# Altium PCB smoothieboard-5driver.PcbDoc (part 3 of 5)
Units mm, origin at the board's own origin, x right, y up, seen from the top; angles counter-clockwise.
Board outline 129.55 x 105.03 mm, 4 copper layers (Top, Route2, Route15, Bottom), stack 1.46 mm thick; 318 components, 238 nets, 1069 pads, 669 vias.
Unrouted connection lines stored in the file: 1.
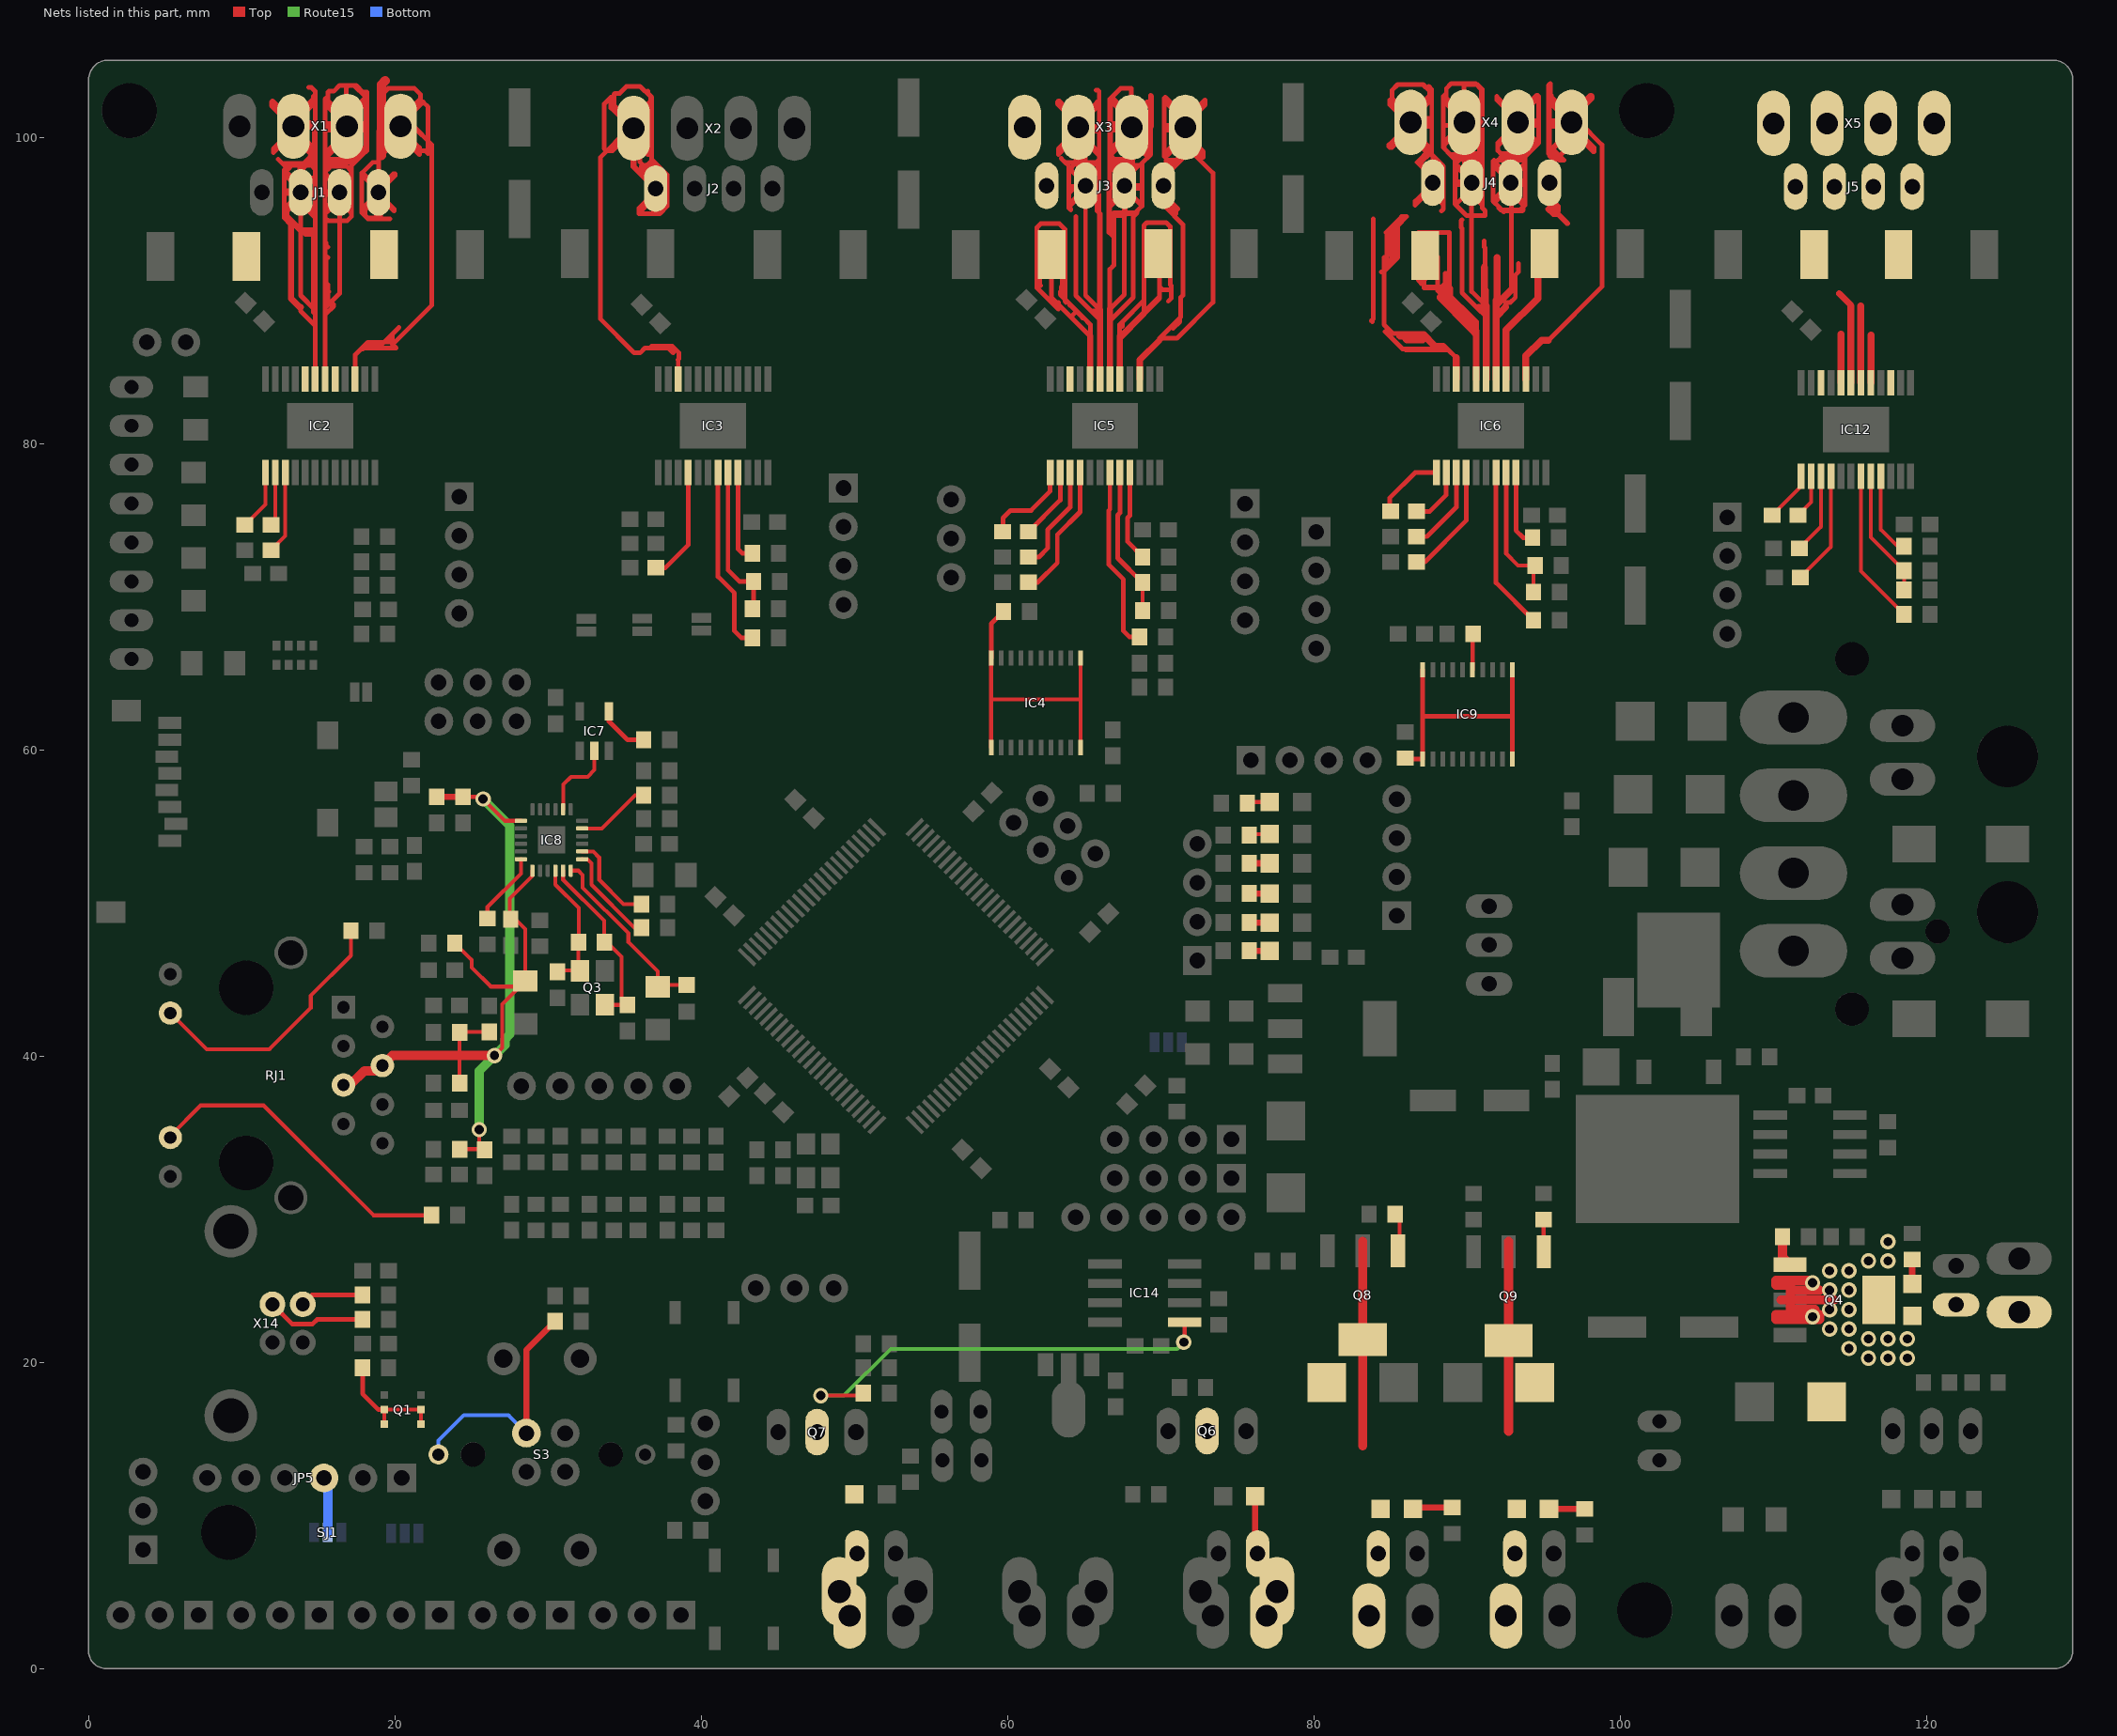
[diagram p5: the nets of this part, all layers, seen from the top]

## Via types
v1: diameter 1.006/1.006/1.006/1.006 (per signal layer), hole 0.6, Top to Bottom, tented both sides, 666 vias
v2: diameter 0.737/0.737/0.737/0.737 (per signal layer), hole 0.33, Top to Bottom, tented both sides, 2 vias
v3: diameter 1.016/1.006/1.006/1.016 (per signal layer), hole 0.6, Top to Bottom, tented both sides, 1 vias

## Nets (pads, with @x,y where several pads share a name; then routed paths per layer and width w, separated by ;. In a path a pad name is that pad's centre, name@x,y a point inside that pad or via, vN(x,y) a via of type N, cw(c..) or ccw(c..) an arc to the next point about the centre after c; other vN are vias at no path point) (continued)
N$14: IC3.P22 J2.4 X2.4 | length 87.5
  Top w0.305: 36.521,102.997 36.521,102.87 36.775,102.616 36.775,100.584 ; 36.648,102.298 35.632,101.282 35.632,100.965 36.711,102.044 36.711,102.616 36.013,103.314 35.124,103.314 34.679,102.87 34.362,102.87 34.298,102.806 34.298,102.108 35.505,100.901 35.505,100.52 34.108,101.917 34.108,102.616 33.663,102.171 33.663,99.251 33.79,99.123 34.235,99.123 35.441,100.33 35.568,100.203 35.568,99.885 35.886,99.568 35.886,99.504 36.521,98.87 36.711,98.87 36.711,99.06 35.632,100.139 X2.4@35.632,100.266 ; 36.711,100.266 X2.4@36.013,100.266 ; 36.775,86.36 38.108,86.36 38.553,85.915 38.553,85.534 38.489,85.471 38.5,85.46 IC3.P22@38.5,84.203 ; J2.4@37.029,96.647 37.029,97.346 36.013,98.361 36.013,100.076 35.505,100.584 35.314,100.584 33.409,98.679 33.409,88.138 35.632,85.915 36.013,85.915 36.33,86.233 37.854,86.233 38.172,85.915 ; X2.4@35.632,100.266 X2.4@36.013,100.266 ; X2.4@35.632,100.266 X2.4@35.632,100.647 ; X2.4@35.632,100.647 X2.4@36.013,100.266 ; X2.4@35.632,100.647 35.759,100.774 36.711,100.774 36.711,100.33 36.584,100.457 35.568,100.457 35.568,100.584 36.775,100.584 ; 36.775,98.552 36.775,98.489 36.33,98.044 36.203,98.044 36.838,97.409 36.838,97.282 36.076,98.044 36.076,98.108 36.14,98.171 37.156,98.171 ; 36.775,98.552 37.156,98.171 ; 36.775,98.552 36.775,100.584 ; J2.4@37.029,96.139 37.029,95.123 36.965,95.123 36.902,95.059 36.902,96.52 37.092,96.71 37.727,96.71 37.727,96.52 J2.4@37.029,96.52 ; J2.4@37.029,96.139 36.14,95.25 36.14,95.441 J2.4@37.029,96.329 ; J2.4@37.029,96.139 J2.4@37.029,96.329 ; J2.4@37.029,96.329 37.156,96.203 37.156,96.139 37.664,95.631 37.727,95.631 37.727,95.758 J2.4@37.029,96.456 ; J2.4@37.029,96.329 J2.4@37.029,96.456 ; J2.4@37.029,96.456 J2.4@37.029,96.52 ; J2.4@37.029,96.456 35.949,95.377 35.949,94.996 37.283,94.996 37.791,95.504 37.791,97.536 J2.4@37.664,97.663 ; J2.4@37.029,96.52 37.029,96.901 37.664,97.536 J2.4@37.664,97.663 ; 37.156,98.171 J2.4@37.664,97.663
  Top w0.406: X2.4@35.589,100.584 35.589,98.087 J2.4@37.029,96.647
N$15: IC4.1 IC4.10 IC4.11 IC4.20 R30.1 | length 20.9
  Top w0.254: IC4.11@58.932,60.138 58.932,63.279 ; IC4.10@58.932,65.973 58.932,63.279 ; IC4.20@64.782,60.138 64.782,63.279 ; IC4.1@64.782,65.973 64.782,63.279 ; 58.932,63.279 64.782,63.279
  Top w0.305: IC4.10@58.932,65.973 58.932,68.22 R30.1@59.737,69.025
N$16: LED10.A R78.1 | length 1.5
  Top w0.254: R78.1@75.661,56.515 75.661,56.578 LED10.A@77.126,56.578
N$17: IC3.P08 R23.1 R27.1 | length 10.1
  Top w0.305: IC3.P08@41.75,78.103 41.75,71.732 42.49,70.993 R27.1@43.418,70.993 43.418,69.278 R23.1@43.354,69.215
N$18: D8.A J6.2 LED6.C Q9.4 X8.2 | length 12.4
  Top w0.61: 92.718,15.494 92.718,27.877
N$19: IC14.5 R70.1 | length 29.3
  Top w0.254: v1(47.808,17.819) 50.441,17.819 R70.1@50.593,17.97 ; v1(71.518,21.309) 71.569,21.36 IC14.5@71.569,22.606
  Route15 w0.254: v1(47.808,17.819) 49.323,17.819 52.373,20.869 71.078,20.869 v1(71.518,21.309)
N$20: R61.2 RJ1.G- | length 17.4
  Top w0.254: RJ1.G-@5.342,42.799 7.712,40.429 11.808,40.429 14.508,43.129 14.508,43.929 17.132,46.553 R61.2@17.132,48.176
N$21: C45.A C46.1 C47.1 C52.1 C53.1 FB1.2 IC8.1 IC8.19 R54.1 R55.1 R56.1 R57.1 RJ1.P4 RJ1.P5 | length 68.5
  Top w0.254: R54.1@23.908,47.128 R54.1@23.908,47.371 25.008,46.271 25.008,45.779 26.258,44.529 27.758,44.529 C45.A@27.955,44.332 ; R56.1@24.226,33.909 C53.1@25.508,33.909 ; R57.1@24.226,38.227 24.226,40.028 24.227,40.029 R55.1@24.226,41.529 R55.1@24.226,41.529 24.265,41.568 C52.1@26.17,41.568 C52.1@26.547,41.568 ; C47.1@24.456,56.92 25.617,56.92 v1(25.758,56.779) 27.185,55.352 IC8.19@28.234,55.352 ; v1(25.508,35.188) C53.1@25.508,33.909 ; C53.1@25.853,33.87 25.813,33.909 C53.1@25.508,33.909 ; v1(26.508,40.029) 27.008,40.529 27.008,43.386 C45.A@27.955,44.332 ; IC8.1@28.984,52.102 28.984,51.755 27.508,50.279 27.508,48.979 C46.1@27.567,48.919 27.867,48.919 28.508,48.279 28.508,44.909 C45.A@28.52,44.898 C45.A@27.955,44.332
  Top w0.406: FB1.2@22.741,56.92 C47.1@24.456,56.92
  Top w0.61: RJ1.P5@16.645,38.1 17.079,38.1 18.008,39.029 18.844,39.029 RJ1.P4@19.185,39.37 19.844,40.029 24.227,40.029 v1(26.508,40.029)
  Route15 w0.61: v1(25.508,35.188) 25.508,39.029 v1(26.508,40.029) 27.191,40.712 27.191,41.089 27.508,41.407 27.508,55.029 v1(25.758,56.779)
N$22: C16.2 IC3.P04 | length 7.4
  Top w0.305: C16.2@37.053,71.882 37.664,71.882 39.15,73.368 IC3.P04@39.15,78.103
N$23: JP5.3 SJ1.2 | length 3.7
  Bottom w0.61: JP5.3@15.365,12.429 15.623,12.171 SJ1.2@15.623,8.874
N$24: IC3.P09 R28.1 | length 6.1
  Top w0.305: IC3.P09@42.4,78.103 42.4,73.114 42.68,72.834 R28.1@43.354,72.834
N$25: C36.2 IC5.P01 | length 5.9
  Top w0.305: C36.2@59.674,74.231 59.698,74.256 59.698,75.12 60.206,75.629 61.54,75.629 62.79,76.879 IC5.P01@62.79,78.103
N$26: C36.1 IC5.P02 | length 4.7
  Top w0.305: C36.1@61.373,74.231 63.44,76.299 IC5.P02@63.44,78.103
N$27: C34.2 IC5.P03 | length 7
  Top w0.305: C34.2@61.373,72.581 62.048,72.581 62.619,73.152 62.619,74.358 64.09,75.83 IC5.P03@64.09,78.103
N$28: IC5.P17 R46.2 | length 32.3
  Top w0.305: 67.318,86.804 68.906,88.392 68.906,89.344 ; 67.341,87.018 69.922,89.599 ; 67.509,87.63 67.509,87.947 ; 68.906,89.98 68.906,89.344 ; 68.906,90.043 68.906,94.234 69.096,94.424 70.366,94.424 70.62,94.17 70.62,90.361 70.684,90.297 70.684,90.106 ; R46.2@69.852,92.392 69.922,92.323 69.922,90.233 ; 70.493,89.281 70.684,89.471 70.684,90.106 ; 67.509,87.947 68.906,89.344 ; 67.509,87.947 67.318,87.757 67.318,86.868 69.922,89.471 69.922,89.599 ; 69.922,89.599 69.922,90.233 ; 69.922,90.233 70.112,90.043 70.62,90.043 70.684,90.106
  Top w0.406: IC5.P17@67.341,84.203 67.341,87.018
N$29: IC9.15 R4.1 | length 2.3
  Top w0.254: IC9.15@90.368,65.227 90.368,67.539 R4.1@90.393,67.564
N$30: IC5.P20 R47.2 | length 32.2
  Top w0.305: 62.175,90.297 62.111,90.361 62.111,90.995 62.429,91.313 63.254,91.313 63.572,90.995 63.572,90.297 63.508,90.233 63.508,90.106 63.762,90.361 ; R47.2@62.879,92.329 62.873,92.323 62.873,89.535 65.39,87.018 ; 63.318,89.218 63.318,88.773 61.921,90.17 61.921,94.107 62.175,94.361 63.381,94.361 63.762,93.98 63.762,90.361 ; 63.445,89.916 63.445,89.725 64.08,89.09 ; 63.826,89.218 63.762,89.281 63.762,90.361 ; 64.207,88.328 64.524,88.646 ; 65.35,86.423 65.35,86.931 65.413,86.995 65.413,87.757 64.969,88.201 ; 64.08,89.09 64.08,89.027 64.905,88.201 64.969,88.201 ; 64.08,89.09 64.524,88.646 ; 64.524,88.646 64.969,88.201
  Top w0.406: IC5.P20@65.39,84.203 65.39,87.018
N$31: IC5.P18 J3.2 X3.2 | length 124.1
  Top w0.305: 66.683,87.566 66.683,88.011 68.207,89.535 68.207,94.805 68.461,95.059 66.937,95.059 66.937,91.63 66.683,91.376 66.683,88.773 ; 66.683,94.742 66.683,94.869 ; 66.691,88.781 67.636,89.725 67.636,94.869 ; J3.2@67.636,96.837 J3.2@67.636,96.774 ; X3.2@68.08,100.139 X3.2@68.08,100.076 ; X3.2@68.144,100.584 69.287,100.584 69.414,100.711 69.414,102.679 69.35,102.743 69.35,102.298 ; X3.2@68.144,100.647 68.08,100.711 68.08,103.188 67.382,103.188 66.683,102.489 66.683,100.838 ; X3.2@68.144,101.346 69.096,102.298 69.35,102.298 ; 68.652,98.171 68.779,98.298 ; 66.683,94.869 67.636,94.869 ; 66.683,94.869 66.874,94.678 66.874,93.535 66.62,93.789 66.62,96.774 66.683,96.837 J3.2@67.699,96.837 ; 66.683,94.869 66.683,98.425 ; 66.683,98.425 66.937,98.425 ; 66.683,98.425 66.683,98.87 ; 66.683,98.87 66.683,100.457 ; 66.683,98.87 67.001,98.552 68.08,98.552 67.699,98.171 67.191,98.171 66.937,98.425 ; 66.683,100.457 X3.2@67.89,100.457 ; 66.683,100.457 66.683,100.711 ; 66.683,100.711 66.683,100.838 ; 66.683,100.711 68.271,100.711 68.271,100.457 X3.2@68.08,100.457 ; 66.683,100.838 66.747,100.901 68.08,100.901 68.207,100.774 68.207,100.647 X3.2@68.017,100.457 ; 66.937,98.425 68.08,98.425 68.08,97.79 67.699,97.409 J3.2@67.636,97.409 ; J3.2@67.572,96.52 J3.2@67.572,96.584 ; J3.2@67.572,96.52 66.747,95.694 66.747,95.504 67.572,96.329 J3.2@67.572,96.52 ; J3.2@67.572,96.584 67.763,96.774 67.763,96.52 68.652,95.631 68.652,95.694 67.826,96.52 67.826,96.647 67.699,96.774 67.699,97.346 J3.2@67.636,97.409 ; J3.2@67.572,96.584 67.572,96.647 67.699,96.52 67.699,94.932 ; 67.636,94.869 67.699,94.932 ; 67.636,94.869 J3.2@67.636,96.71 ; J3.2@67.636,96.71 66.747,96.71 66.747,96.901 67.699,96.901 J3.2@67.763,96.837 ; J3.2@67.636,96.71 67.699,96.647 68.715,96.647 68.779,96.71 ; J3.2@67.636,96.71 J3.2@67.636,96.774 ; J3.2@67.636,96.774 J3.2@67.699,96.837 ; J3.2@67.636,97.409 68.398,98.171 68.588,98.171 67.636,97.218 67.636,97.155 66.747,98.044 66.747,98.298 J3.2@67.636,97.409 ; 67.699,94.932 67.763,94.996 68.271,94.996 68.779,95.504 68.779,96.71 ; J3.2@67.699,96.837 J3.2@67.763,96.837 ; J3.2@67.763,96.837 68.652,96.837 68.779,96.71 ; X3.2@67.89,100.457 67.89,98.552 67.826,98.489 67.89,98.489 68.08,98.679 X3.2@68.08,100.076 ; X3.2@67.89,100.457 X3.2@68.017,100.457 ; X3.2@68.017,100.457 X3.2@68.08,100.457 ; X3.2@68.08,100.076 69.287,98.87 69.287,99.187 68.207,100.266 68.207,100.33 68.271,100.393 68.271,99.632 69.096,98.806 69.096,99.441 X3.2@68.08,100.457 ; X3.2@68.08,100.457 68.08,100.33 66.747,98.996 66.747,99.251 67.826,100.33 67.826,99.949 66.81,98.933 66.747,98.933 66.747,102.362 66.874,102.489 66.874,102.235 68.144,100.965 X3.2@68.144,101.092 ; X3.2@68.144,101.092 69.35,102.298 ; X3.2@68.144,101.092 66.937,102.298 66.937,102.489 68.144,101.282 X3.2@68.144,101.092 ; 68.779,96.71 68.779,98.298 ; 68.779,98.298 69.35,98.87 69.35,102.298
  Top w0.406: IC5.P18@66.691,84.203 66.691,88.781 ; J3.2@67.636,96.837 68.116,97.318 X3.2@68.116,100.647
N$32: IC5.P15 J3.1 X3.1 | length 74.1
  Top w0.305: 69.922,86.741 69.922,86.804 69.985,86.741 ; J3.1@70.176,96.837 70.176,97.663 X3.1@71.795,99.282 ; J3.1@70.239,95.504 71.446,94.297 71.446,89.662 71.319,89.535 71.319,88.265 71.255,88.201 ; 70.303,102.489 70.303,102.425 70.239,102.362 ; 70.366,100.457 X3.1@71.573,100.457 ; 70.684,98.298 70.366,98.298 70.366,98.489 71.192,98.489 71.192,98.361 ; 71.128,95.313 70.303,96.139 70.303,96.584 70.176,96.456 70.176,96.012 71.001,95.186 71.001,94.996 70.112,95.885 70.112,97.98 J3.1@70.239,97.98 ; X3.1@71.615,100.647 71.615,99.462 X3.1@71.795,99.282 ; J3.1@70.239,97.98 70.239,97.472 70.303,97.472 71.065,98.234 ; J3.1@70.239,97.98 70.747,97.98 71.001,98.234 71.065,98.234 ; 70.239,98.996 70.239,98.742 70.303,98.806 70.303,98.933 70.239,98.996 ; 70.239,98.996 70.239,100.774 ; 70.239,100.774 71.636,100.774 X3.1@71.7,100.711 ; 70.239,100.774 70.239,102.362 ; 70.239,102.362 70.239,102.552 70.303,102.616 71.636,101.282 71.636,101.155 71.7,101.092 71.7,101.219 72.906,102.425 72.906,102.108 71.7,100.901 X3.1@71.7,100.711 ; 70.239,102.362 71.636,100.965 71.636,100.711 X3.1@71.7,100.647 ; 71.065,98.234 71.192,98.361 ; 71.192,98.361 71.7,98.87 X3.1@71.7,99.758 ; 71.255,88.138 71.255,88.201 ; 71.255,88.138 70.811,87.694 70.811,87.503 71.255,87.947 71.255,88.138 ; 71.255,88.201 69.922,86.868 71.065,86.868 73.414,89.218 73.414,97.663 X3.1@71.795,99.282 ; X3.1@71.573,100.457 71.573,100.266 70.366,99.06 70.366,98.806 70.43,98.806 X3.1@71.7,100.076 ; X3.1@71.573,100.457 71.7,100.457 71.573,100.584 70.366,100.584 70.43,100.647 X3.1@71.7,100.647 ; X3.1@71.7,99.758 72.779,98.679 72.779,99.06 X3.1@71.7,100.139 ; X3.1@71.7,99.758 X3.1@71.7,100.076 ; X3.1@71.7,100.076 X3.1@71.7,100.139 ; X3.1@71.7,100.139 X3.1@71.7,100.647 ; X3.1@71.7,100.647 X3.1@71.7,100.711
  Top w0.406: IC5.P15@68.641,84.203 68.641,85.46 69.922,86.741
N$33: IC5.P19 J3.3 X3.3 | length 102.9
  Top w0.305: 63.508,98.615 63.762,98.361 ; 64.461,94.805 64.461,89.662 65.477,88.646 ; X3.3@64.615,100.647 64.615,97.318 J3.3@65.096,96.837 ; X3.3@64.842,100.457 X3.3@64.842,100.139 ; J3.3@65.159,96.774 J3.3@65.096,96.837 ; 65.794,103.06 65.921,103.06 65.985,102.997 65.985,100.711 ; 66.04,88.717 65.096,89.662 J3.3@65.096,96.837 ; 66.048,87.694 66.048,88.075 ; 63.762,98.361 64.969,98.361 ; 63.762,98.361 64.016,98.108 ; 64.016,95.567 64.143,95.567 J3.3@65.159,96.584 ; 64.016,95.567 64.08,95.504 64.08,95.377 64.143,95.313 64.143,95.25 64.016,95.377 64.016,95.567 ; 64.016,95.567 64.016,95.758 ; 64.016,95.758 64.143,95.758 64.969,96.584 J3.3@65.159,96.584 ; 64.016,95.758 64.016,96.329 ; 64.016,96.329 64.016,96.52 ; 64.016,96.329 64.397,96.71 J3.3@65.223,96.71 ; 64.016,96.52 64.016,97.853 ; 64.016,96.52 64.08,96.584 64.08,96.774 65.032,96.774 J3.3@65.096,96.837 ; 64.016,97.853 64.461,98.298 64.905,98.298 64.969,98.361 ; 64.016,97.853 64.016,98.108 ; 64.016,98.108 64.08,98.044 64.08,97.917 64.651,97.346 64.651,97.282 J3.3@65.096,96.837 ; X3.3@64.588,100.584 64.461,100.457 64.461,98.552 64.524,98.489 64.778,98.489 X3.3@64.842,98.552 ; X3.3@64.588,100.584 64.588,100.647 64.651,100.711 65.985,100.711 ; X3.3@64.588,100.584 64.651,100.647 65.985,100.647 ; X3.3@64.588,100.584 64.588,100.457 64.651,100.393 65.985,100.393 ; X3.3@64.842,98.552 64.842,97.346 64.969,97.218 64.969,98.234 65.858,98.234 65.921,98.171 ; X3.3@64.842,98.552 X3.3@64.842,98.742 ; X3.3@64.842,98.742 X3.3@64.842,100.076 ; X3.3@64.842,98.742 64.905,98.806 64.969,98.806 65.096,98.679 J3.3@65.096,97.155 ; X3.3@64.842,100.076 64.905,100.139 64.905,101.155 64.715,101.155 65.858,102.298 65.921,102.298 65.921,102.044 64.969,101.092 64.651,101.092 63.381,102.362 63.318,102.362 63.254,102.298 63.254,102.171 64.651,100.774 64.651,100.584 63.318,99.251 63.318,98.87 64.651,100.203 64.651,100.266 X3.3@64.842,100.076 ; X3.3@64.842,100.076 64.905,100.013 64.905,99.885 65.921,98.87 65.921,99.06 X3.3@64.842,100.139 ; X3.3@64.842,100.076 X3.3@64.842,100.139 ; 64.969,98.361 65.794,98.361 65.985,98.552 ; J3.3@65.096,96.837 J3.3@65.096,96.965 ; J3.3@65.096,96.837 J3.3@65.223,96.71 ; J3.3@65.096,96.837 65.985,96.837 ; J3.3@65.096,96.965 J3.3@65.096,97.091 ; J3.3@65.096,96.965 65.921,97.79 65.921,97.98 ; J3.3@65.096,97.091 65.985,97.98 ; J3.3@65.096,97.091 J3.3@65.096,97.155 ; J3.3@65.096,97.155 65.921,97.98 ; J3.3@65.159,96.584 65.159,96.393 65.794,95.758 65.794,95.885 65.985,96.075 ; J3.3@65.159,96.584 65.159,96.71 65.858,96.012 65.858,95.186 66.048,94.996 66.048,88.646 65.477,88.646 ; J3.3@65.223,96.71 65.985,96.71 ; 65.477,88.646 66.048,88.075 ; 65.921,97.98 65.921,98.171 ; 65.921,98.171 65.985,98.234 ; 65.985,96.075 65.985,96.71 ; 65.985,96.075 65.985,88.265 66.048,88.201 66.048,88.075 ; 65.985,96.71 65.985,96.837 ; 65.985,96.837 65.985,97.98 ; 65.985,97.98 65.985,98.234 ; 65.985,98.234 65.985,98.552 ; 65.985,98.552 65.985,100.393 ; 65.985,100.393 65.985,100.647 ; 65.985,100.647 65.985,100.711
  Top w0.406: IC5.P19@66.04,84.203 66.04,88.717
N$34: IC5.P22 J3.4 X3.4
N$35: IC3.P07 R29.1 | length 12.2
  Top w0.305: IC3.P07@41.1,78.103 41.1,71.303 42.172,70.231 42.172,67.754 42.617,67.31 R29.1@43.354,67.31
N$36: IC5.P07 R42.1 | length 12
  Top w0.305: IC5.P07@66.691,78.103 66.691,75.7 66.62,75.629 66.62,72.072 67.572,71.12 67.572,67.754 67.953,67.373 R42.1@68.627,67.373
N$37: IC5.P08 R38.1 R40.1 | length 9.8
  Top w0.254: R40.1@68.818,69.088 R38.1@68.818,70.929
  Top w0.305: IC5.P08@67.341,78.103 67.341,75.461 67.191,75.311 67.191,72.517 68.779,70.929 R38.1@68.818,70.929
N$38: C32.2 IC5.P04 | length 8.9
  Top w0.305: C32.2@61.373,70.929 61.984,70.929 63.254,72.2 63.254,74.041 64.74,75.527 IC5.P04@64.74,78.103
N$39: IC6.P07 R45.1 | length 10.7
  Top w0.305: IC6.P07@91.9,78.103 91.9,70.897 R45.1@94.345,68.453
N$40: IC5.P09 R41.1 | length 7
  Top w0.254: R41.1@68.818,72.581 R41.1@68.842,72.581 ; R41.1@68.842,72.581 68.842,72.453 68.779,72.517 68.779,72.581 68.906,72.707 69.096,72.707 68.969,72.581 R41.1@68.842,72.581
  Top w0.305: IC5.P09@67.991,78.103 67.991,75.285 67.826,75.12 67.826,73.596 R41.1@68.842,72.581
N$41: C37.2 IC6.P01 | length 4.6
  Top w0.305: C37.2@85.01,75.565 84.971,75.604 84.971,76.454 86.62,78.103 IC6.P01@88,78.103
N$42: IC8.8 R58.1 | length 6.2
  Top w0.254: IC8.8@32.234,53.352 32.246,53.34 32.965,53.34 33.346,52.959 33.346,51.498 34.933,49.911 R58.1@36.115,49.911
N$43: C37.1 IC6.P02 | length 3.8
  Top w0.305: C37.1@86.71,75.565 87.575,75.565 88.65,76.64 IC6.P02@88.65,78.103
N$44: C35.2 IC6.P03 | length 5.7
  Top w0.305: C35.2@86.71,73.914 87.384,73.914 89.3,75.83 IC6.P03@89.3,78.103
N$45: IC6.P17 R48.2 | length 9.2
  Top w0.457: IC6.P17@92.55,84.203 92.55,87.399 94.623,89.471 94.623,91.954 R48.2@95.061,92.392
N$46: IC6.P20 R49.2 | length 38.6
  Top w0.305: R49.2@86.813,93.789 88.845,93.789 88.845,90.233 88.908,90.17 88.464,90.17 ; 87.003,90.424 87.003,90.487 ; R49.2@87.384,93.535 87.321,93.472 86.813,93.472 86.813,90.678 87.003,90.487 ; R49.2@88.083,92.196 88.083,89.98 90.6,87.462 90.6,87.353 90.432,87.185 ; 88.527,90.106 88.464,90.17 ; 88.654,90.106 88.654,91.123 ; 88.781,89.852 88.781,91.059 88.718,91.123 88.654,91.123 ; 89.226,88.519 89.162,88.519 89.48,88.201 90.115,88.201 90.623,87.694 90.623,86.614 ; 89.67,88.9 90.623,87.947 90.623,86.995 ; 90.432,87.312 90.432,87.185 ; 90.623,86.931 90.623,86.995 ; 87.003,90.487 87.003,90.614 86.876,90.742 86.94,90.805 87.321,90.805 87.194,90.678 87.194,90.17 87.257,90.17 ; 87.257,90.17 88.464,90.17 ; 87.257,90.17 87.321,90.233 88.337,90.233 88.591,90.487 88.591,91.123 88.654,91.123 ; 90.432,87.185 90.623,86.995
  Top w0.406: R49.2@86.94,90.805 R49.2@86.94,91.059
  Top w0.457: 89.226,88.519 90.432,87.312 ; IC6.P20@90.6,84.203 90.6,87.353
  Top w0.61: R49.2@86.94,91.059 R49.2@87.003,91.123 ; 88.337,89.535 89.289,88.582 89.734,88.582 ; 88.527,89.916 88.718,90.106 88.781,90.106 88.781,89.852 88.781,89.535 89.734,88.582 ; 89.924,88.392 89.734,88.582